# KiCad board teensy_arena_12-12.kicad_pcb
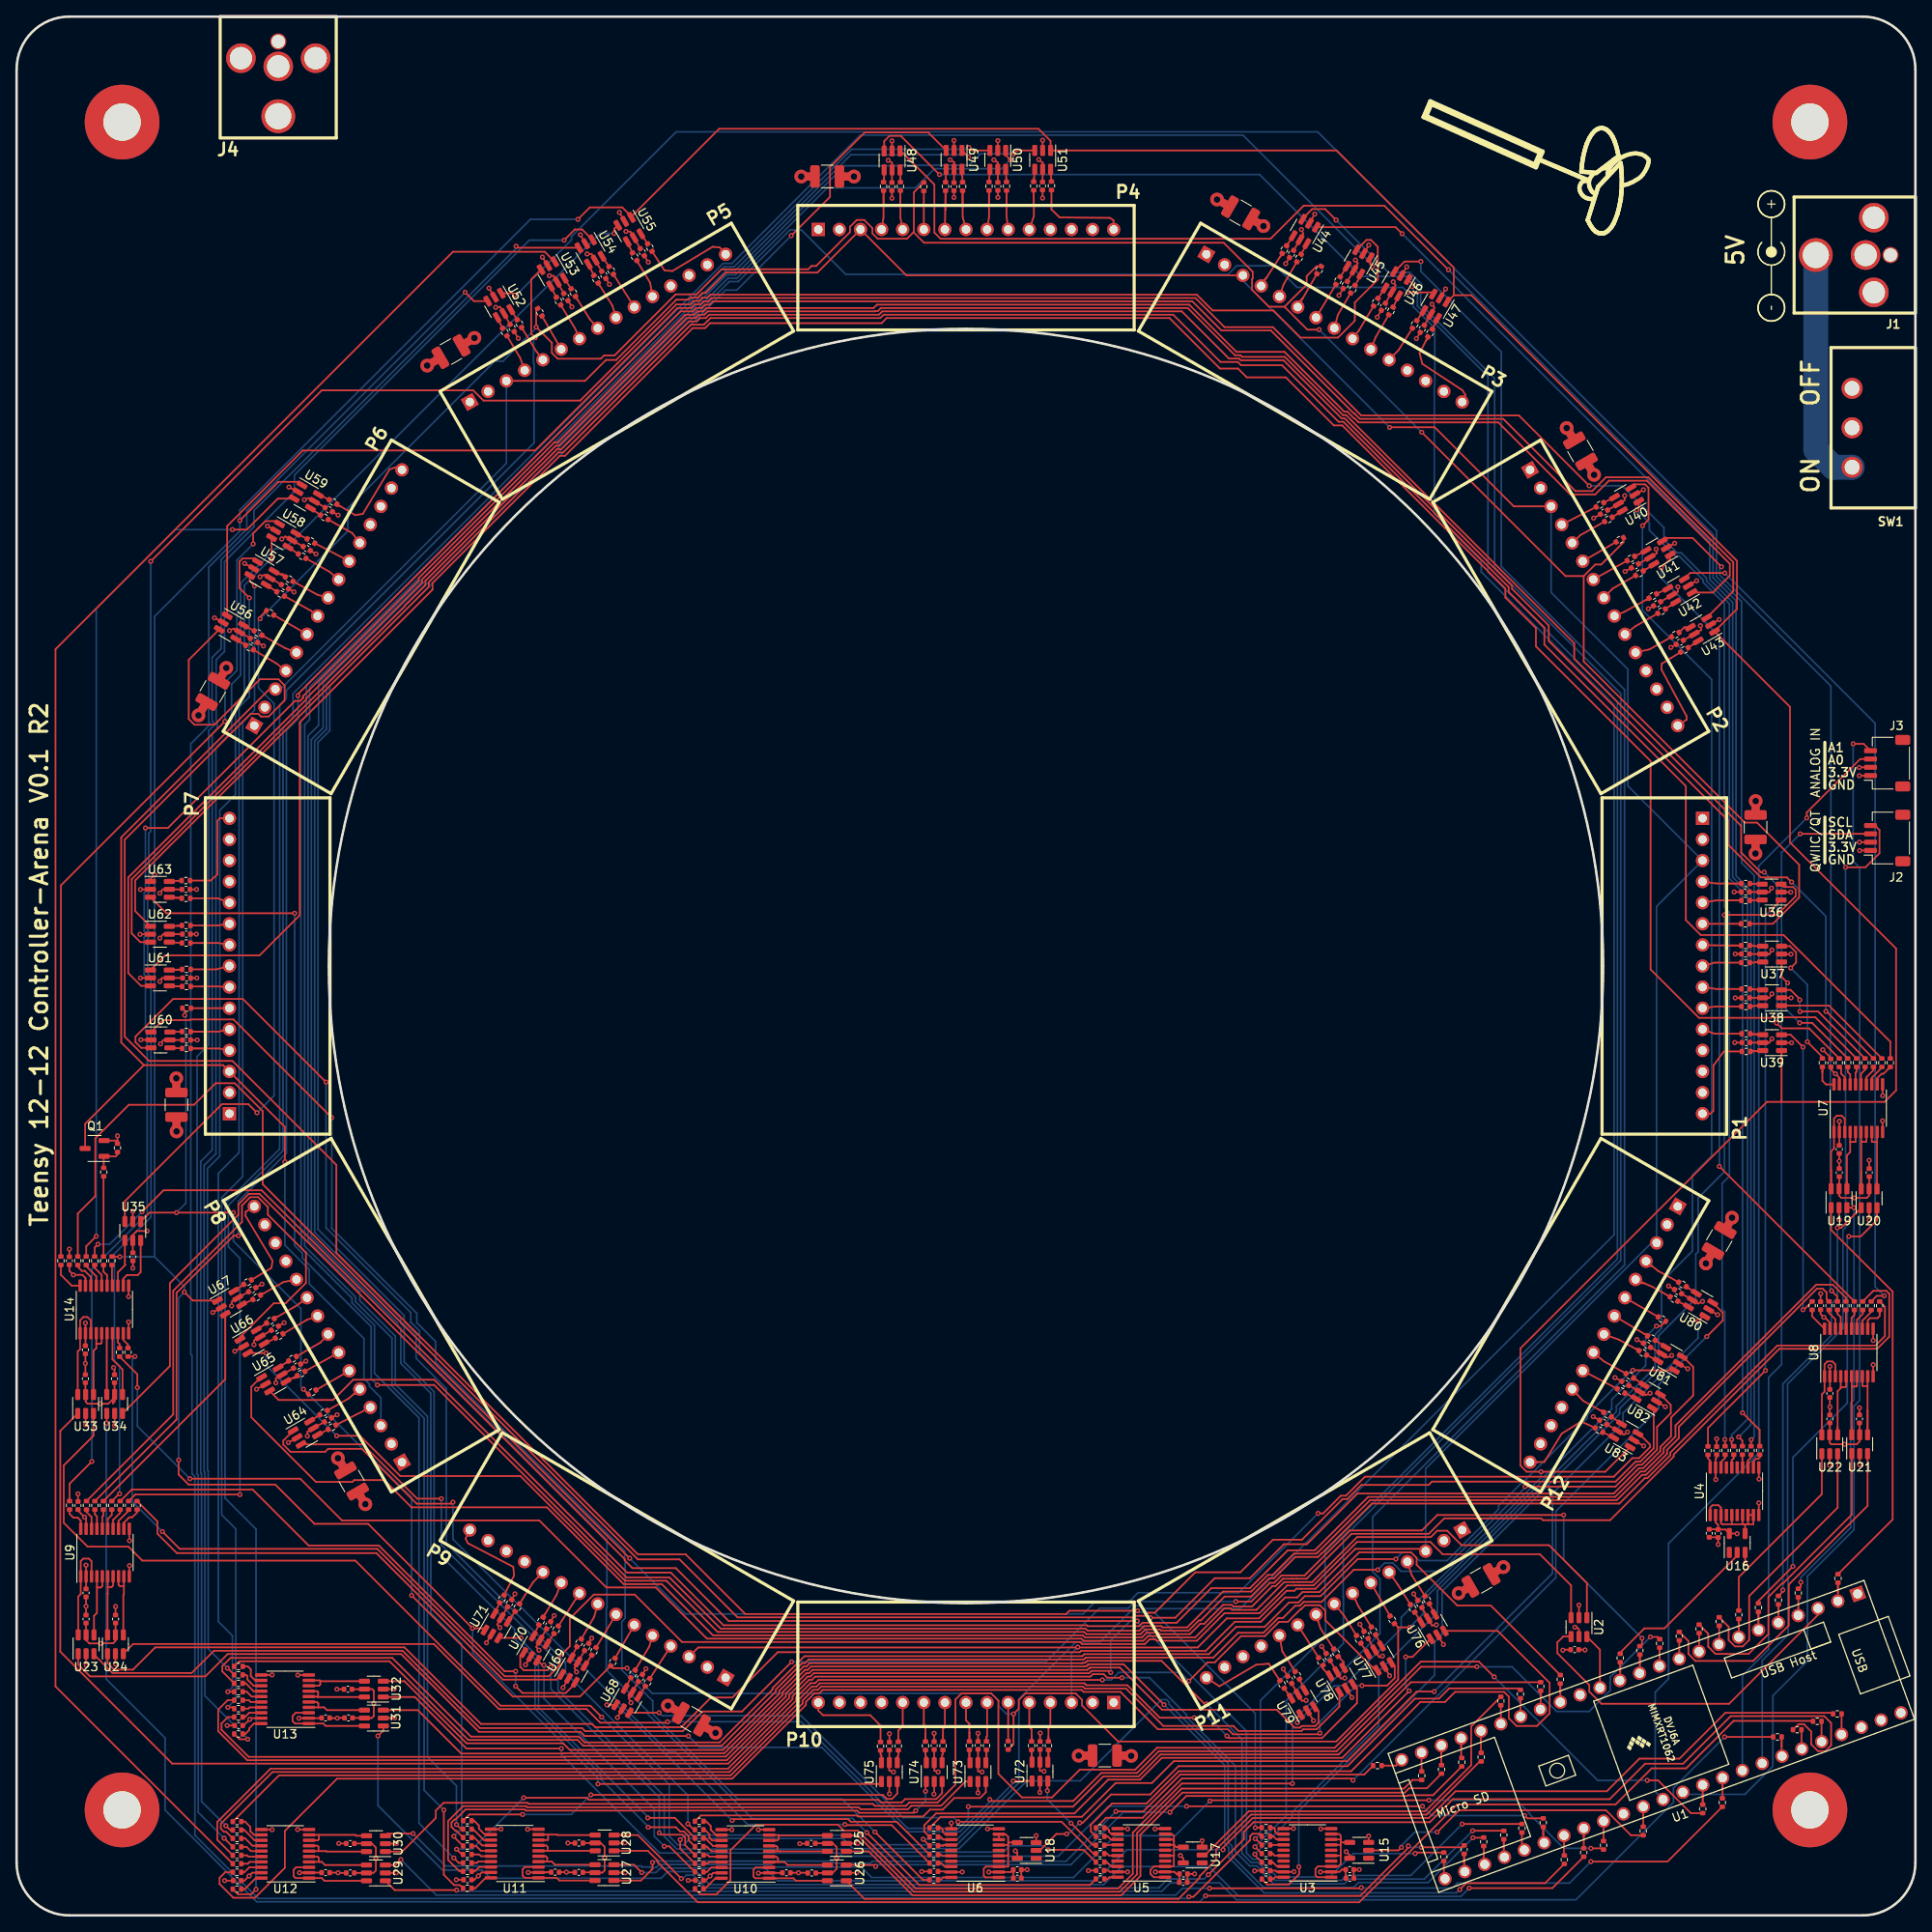
[diagram p0: board, top side]
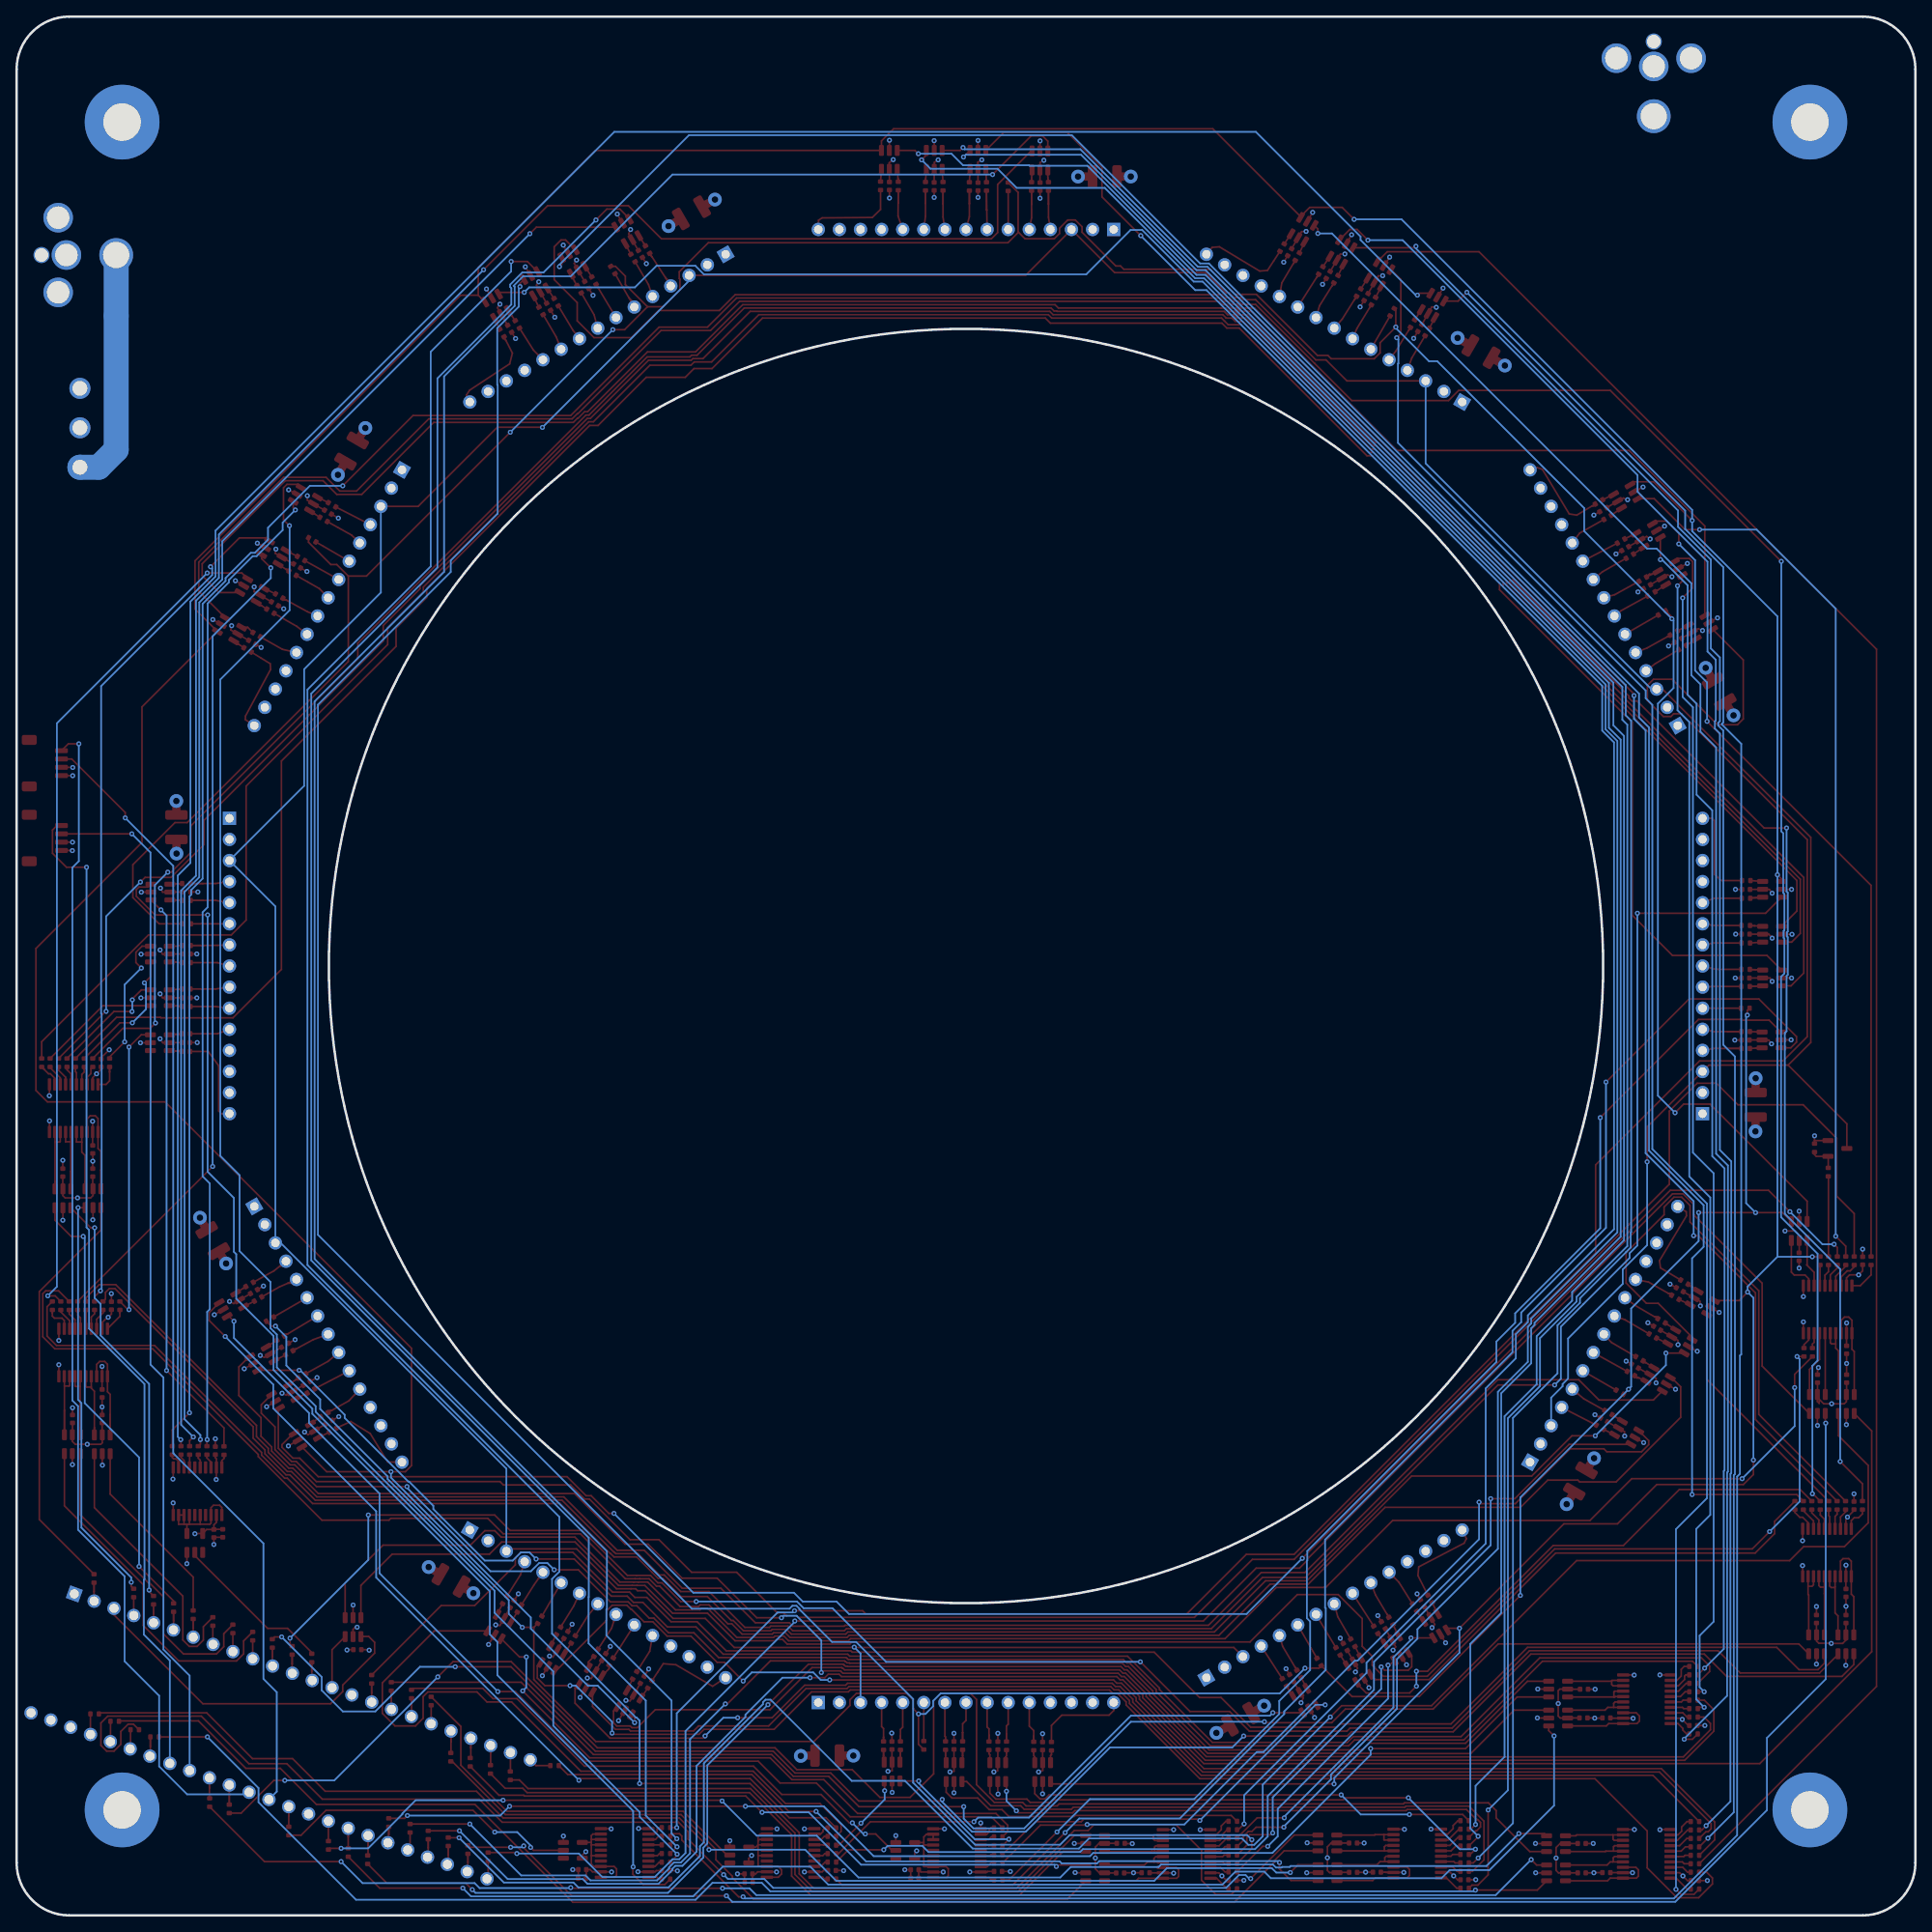
[diagram p1: board, bottom side, seen from below]

Outline 228.6 x 228.6 mm; copper layers: Top, In1.Cu (plane), In2.Cu (plane), In3.Cu (plane), In4.Cu (plane), Bottom. Coordinates in mm from the lower left corner of the outline.
Outline path: circle c114.3,114.3 r76.71 ; 0,222.25 0,6.35 arc(1.86,1.86) 6.35,0 222.25,0 arc(226.74,1.86) 228.6,6.35 228.6,222.25 arc(226.74,226.74) 222.25,228.6 6.35,228.6 arc(1.86,226.74) 0,222.25
Stack: Top 0.035mm / dielectric 0.1mm FR4 er 4.5 / In1.Cu 0.035mm / dielectric 0.535mm FR4 er 4.5 / In2.Cu 0.035mm / dielectric 0.1mm FR4 er 4.5 / In3.Cu 0.035mm / dielectric 0.535mm FR4 er 4.5 / In4.Cu 0.035mm / dielectric 0.1mm FR4 er 4.5 / Bottom 0.035mm

## Placement (name value [footprint] x y rotation side)
C1  0.1uF  [C_0402_1005Metric]  187.58 31.99 180 top
C2  0.1uF  [C_0402_1005Metric]  160.52 4.47 0 top
C3  0.1uF  [C_0402_1005Metric]  150.45 5.38 180 top
C4  0.1uF  [C_0402_1005Metric]  203.78 46 270 top
C5  0.1uF  [C_0402_1005Metric]  204.67 55.95 90 top
C6  0.1uF  [C_0402_1005Metric]  140.46 3.98 0 top
C7  0.1uF  [C_0402_1005Metric]  130.45 5.4 180 top
C8  0.1uF  [C_0402_1005Metric]  120.47 4.48 0 top
C9  0.1uF  [C_0402_1005Metric]  110.44 5.29 180 top
C10  0.1uF  [C_0402_1005Metric]  219.44 92.22 270 top
C11  0.1uF  [C_0402_1005Metric]  218.42 102.63 90 top
C12  0.1uF  [C_0402_1005Metric]  218.3 62.84 270 top
C13  0.1uF  [C_0402_1005Metric]  217.18 73.41 90 top
C14  0.1uF  [C_0402_1005Metric]  8.36 38.83 270 top
C15  0.1uF  [C_0402_1005Metric]  7.39 49.34 90 top
C16  0.1uF  [C_0402_1005Metric]  92.68 5.13 0 top
C17  0.1uF  [C_0402_1005Metric]  82.21 4.22 180 top
C18  0.1uF  [C_0402_1005Metric]  64.83 5.2 0 top
C19  0.1uF  [C_0402_1005Metric]  54.29 4.29 180 top
C20  0.1uF  [C_0402_1005Metric]  37.2 5.15 0 top
C21  0.1uF  [C_0402_1005Metric]  26.56 4.18 180 top
C22  0.1uF  [C_0402_1005Metric]  37.2 23.77 0 top
C23  0.1uF  [C_0402_1005Metric]  26.73 22.86 180 top
C24  0.1uF  [C_0402_1005Metric]  8.28 68.09 270 top
C25  0.1uF  [C_0402_1005Metric]  6.35 78.82 90 top
C26  0.1uF  [C_0402_1005Metric]  160.49 5.51 0 top
C27  0.1uF  [C_0402_1005Metric]  204.85 45.98 270 top
C28  0.1uF  [C_0402_1005Metric]  140.49 5 0 top
C29  0.1uF  [C_0402_1005Metric]  120.47 5.5 0 top
C30  0.1uF  [C_0402_1005Metric]  219.44 89.43 90 top
C31  0.1uF  [C_0402_1005Metric]  223.04 89.43 90 top
C32  0.1uF  [C_0402_1005Metric]  218.3 59.77 90 top
C33  0.1uF  [C_0402_1005Metric]  221.87 59.77 90 top
C34  0.1uF  [C_0402_1005Metric]  8.36 35.68 90 top
C35  0.1uF  [C_0402_1005Metric]  11.91 35.68 90 top
C36  0.1uF  [C_0402_1005Metric]  95.66 8.68 180 top
C37  0.1uF  [C_0402_1005Metric]  95.74 5.11 180 top
C38  0.1uF  [C_0402_1005Metric]  67.69 5.18 180 top
C39  0.1uF  [C_0402_1005Metric]  67.7 8.71 180 top
C40  0.1uF  [C_0402_1005Metric]  40.17 5.11 180 top
C41  0.1uF  [C_0402_1005Metric]  40.17 8.65 180 top
C42  0.1uF  [C_0402_1005Metric]  39.96 23.77 180 top
C43  0.1uF  [C_0402_1005Metric]  39.89 27.23 180 top
C44  0.1uF  [C_0402_1005Metric]  8.28 64.62 90 top
C45  0.1uF  [C_0402_1005Metric]  11.79 64.62 90 top
C46  0.1uF  [C_0402_1005Metric]  14 79.29 270 top
C47  0.1uF  [C_0402_1005Metric]  208.14 123.22 180 top
C48  0.1uF  [C_0402_1005Metric]  208.13 115.75 180 top
C49  0.1uF  [C_0402_1005Metric]  208.16 110.46 180 top
C50  0.1uF  [C_0402_1005Metric]  208.21 105.08 180 top
C51  0.1uF  [C_0402_1005Metric]  191.11 168.94 210 top
C52  0.1uF  [C_0402_1005Metric]  194.84 162.47 210 top
C53  0.1uF  [C_0402_1005Metric]  197.5 157.91 210 top
C54  0.1uF  [C_0402_1005Metric]  200.24 153.27 210 top
C55  0.1uF  [C_0402_1005Metric]  153.5 200.03 240 top
C56  0.1uF  [C_0402_1005Metric]  159.96 196.29 240 top
C57  0.1uF  [C_0402_1005Metric]  164.55 193.67 240 top
C58  0.1uF  [C_0402_1005Metric]  169.24 191.02 240 top
C59  0.1uF  [C_0402_1005Metric]  105.38 208.14 270 top
C60  0.1uF  [C_0402_1005Metric]  112.85 208.13 270 top
C61  0.1uF  [C_0402_1005Metric]  118.14 208.16 270 top
C62  0.1uF  [C_0402_1005Metric]  123.52 208.21 270 top
C63  0.1uF  [C_0402_1005Metric]  59.66 191.11 300 top
C64  0.1uF  [C_0402_1005Metric]  66.13 194.84 300 top
C65  0.1uF  [C_0402_1005Metric]  70.69 197.5 300 top
C66  0.1uF  [C_0402_1005Metric]  75.33 200.24 300 top
C67  0.1uF  [C_0402_1005Metric]  28.57 153.5 330 top
C68  0.1uF  [C_0402_1005Metric]  32.31 159.96 330 top
C69  0.1uF  [C_0402_1005Metric]  34.93 164.55 330 top
C70  0.1uF  [C_0402_1005Metric]  37.58 169.24 330 top
C71  0.1uF  [C_0402_1005Metric]  20.46 105.38 0 top
C72  0.1uF  [C_0402_1005Metric]  20.47 112.85 0 top
C73  0.1uF  [C_0402_1005Metric]  20.44 118.14 0 top
C74  0.1uF  [C_0402_1005Metric]  20.39 123.52 0 top
C75  0.1uF  [C_0402_1005Metric]  37.49 59.66 30 top
C76  0.1uF  [C_0402_1005Metric]  33.76 66.13 30 top
C77  0.1uF  [C_0402_1005Metric]  31.1 70.69 30 top
C78  0.1uF  [C_0402_1005Metric]  28.36 75.33 30 top
C79  0.1uF  [C_0402_1005Metric]  75.1 28.57 60 top
C80  0.1uF  [C_0402_1005Metric]  68.64 32.31 60 top
C81  0.1uF  [C_0402_1005Metric]  64.05 34.93 60 top
C82  0.1uF  [C_0402_1005Metric]  59.36 37.58 60 top
C83  0.1uF  [C_0402_1005Metric]  123.22 20.46 90 top
C84  0.1uF  [C_0402_1005Metric]  115.75 20.47 90 top
C85  0.1uF  [C_0402_1005Metric]  110.46 20.44 90 top
C86  0.1uF  [C_0402_1005Metric]  105.08 20.39 90 top
C87  0.1uF  [C_0402_1005Metric]  168.94 37.49 120 top
C88  0.1uF  [C_0402_1005Metric]  162.47 33.76 120 top
C89  0.1uF  [C_0402_1005Metric]  157.91 31.1 120 top
C90  0.1uF  [C_0402_1005Metric]  153.27 28.36 120 top
C91  0.1uF  [C_0402_1005Metric]  200.03 75.1 150 top
C92  0.1uF  [C_0402_1005Metric]  196.29 68.64 150 top
C93  0.1uF  [C_0402_1005Metric]  193.67 64.05 150 top
C94  0.1uF  [C_0402_1005Metric]  191.02 59.36 150 top
C95  100uF  [C_1210_3225Metric]  209.36 131.01 270 top
C96  100uF  [C_1210_3225Metric]  188.27 176.3 300 top
C97  100uF  [C_1210_3225Metric]  147.36 204.98 330 top
C98  100uF  [C_1210_3225Metric]  97.59 209.36 0 top
C99  100uF  [C_1210_3225Metric]  52.3 188.27 30 top
C100  100uF  [C_1210_3225Metric]  23.62 147.36 60 top
C101  100uF  [C_1210_3225Metric]  19.24 97.59 90 top
C102  100uF  [C_1210_3225Metric]  40.33 52.3 120 top
C103  100uF  [C_1210_3225Metric]  81.24 23.62 150 top
C104  100uF  [C_1210_3225Metric]  131.01 19.24 180 top
C105  100uF  [C_1210_3225Metric]  176.3 40.33 210 top
C106  100uF  [C_1210_3225Metric]  204.98 81.24 240 top
H1  MountingHole_Pad  [MountingHole_4.5mm_Pad]  12.7 215.9 0 top
H2  MountingHole_Pad  [MountingHole_4.5mm_Pad]  215.9 215.9 0 top
H3  MountingHole_Pad  [MountingHole_4.5mm_Pad]  215.9 12.7 0 top
H4  MountingHole_Pad  [MountingHole_4.5mm_Pad]  12.7 12.7 0 top
J1  Barrel_Jack  [DCJACK_2PIN_HIGHCURRENT]  228.6 199.9 270 top
J2  Conn_01x04  [JST_SH_SM04B-SRSS-TB_1x04-1MP_P1.00mm_Horizontal]  225.2 129.71 90 top
J3  Conn_01x04  [JST_SH_SM04B-SRSS-TB_1x04-1MP_P1.00mm_Horizontal]  225.2 138.72 90 top
J4  Barrel_Jack  [DCJACK_2PIN_HIGHCURRENT]  31.5 228.6 0 top
P1  CONN15  [HEADER_TOP]  202.97 114.3 270 top
P2  CONN15  [HEADER_TOP]  191.09 158.64 300 top
P3  CONN15  [HEADER_TOP]  158.64 191.09 330 top
P4  CONN15  [HEADER_TOP]  114.3 202.97 0 top
P5  CONN15  [HEADER_TOP]  69.96 191.09 30 top
P6  CONN15  [HEADER_TOP]  37.51 158.64 60 top
P7  CONN15  [HEADER_TOP]  25.63 114.3 90 top
P8  CONN15  [HEADER_TOP]  37.51 69.96 120 top
P9  CONN15  [HEADER_TOP]  69.96 37.51 150 top
P10  CONN15  [HEADER_TOP]  114.3 25.63 180 top
P11  CONN15  [HEADER_TOP]  158.64 37.51 210 top
P12  CONN15  [HEADER_TOP]  191.09 69.96 240 top
Q1  MOSFET_NCHAN  [SOT-23-3]  9.39 92.33 180 top
R1  200  [R_0402_1005Metric]  10.49 89.49 270 top
R2  20k  [R_0402_1005Metric]  12.14 92.41 270 top
R3  33  [R_0402_1005Metric]  174.27 7.92 90 top
R4  33  [R_0402_1005Metric]  195.83 10.16 270 top
R5  33  [R_0402_1005Metric]  193.07 30.99 90 top
R6  33  [R_0402_1005Metric]  178.69 25.81 90 top
R7  33  [R_0402_1005Metric]  181.05 26.65 90 top
R8  33  [R_0402_1005Metric]  219.28 40.57 90 top
R9  33  [R_0402_1005Metric]  214.5 38.81 90 top
R10  33  [R_0402_1005Metric]  212.12 37.95 90 top
R11  33  [R_0402_1005Metric]  209.7 37.06 90 top
R12  33  [R_0402_1005Metric]  207.34 36.2 90 top
R13  33  [R_0402_1005Metric]  204.98 35.38 90 top
R14  33  [R_0402_1005Metric]  202.56 34.5 90 top
R15  33  [R_0402_1005Metric]  200.18 33.62 90 top
R16  33  [R_0402_1005Metric]  197.82 32.74 90 top
R17  33  [R_0402_1005Metric]  195.43 31.9 90 top
R18  33  [R_0402_1005Metric]  185.85 28.42 90 top
R19  33  [R_0402_1005Metric]  183.49 27.56 90 top
R20  33  [R_0402_1005Metric]  176.33 19.05 270 top
R21  33  [R_0402_1005Metric]  173.99 18.44 270 top
R22  33  [R_0402_1005Metric]  171.55 17.58 270 top
R23  33  [R_0402_1005Metric]  169.16 16.82 270 top
R24  33  [R_0402_1005Metric]  163.83 18.03 180 top
R25  33  [R_0402_1005Metric]  219.2 24.26 180 top
R26  33  [R_0402_1005Metric]  216.79 23.37 180 top
R27  33  [R_0402_1005Metric]  214.37 22.35 180 top
R28  33  [R_0402_1005Metric]  211.99 21.49 180 top
R29  33  [R_0402_1005Metric]  205.36 13.59 270 top
R30  33  [R_0402_1005Metric]  203 12.83 270 top
R31  33  [R_0402_1005Metric]  191.06 8.43 270 top
R32  33  [R_0402_1005Metric]  188.67 7.57 270 top
R33  33  [R_0402_1005Metric]  186.33 6.71 270 top
R34  33  [R_0402_1005Metric]  183.79 11.17 90 top
R35  33  [R_0402_1005Metric]  181.23 10.49 90 top
R36  33  [R_0402_1005Metric]  179.04 9.68 90 top
R37  33  [R_0402_1005Metric]  176.63 8.86 90 top
R38  33  [R_0402_1005Metric]  171.83 7.06 90 top
R39  33  [R_0402_1005Metric]  150.42 4.37 0 top
R40  33  [R_0402_1005Metric]  150.42 6.4 0 top
R41  33  [R_0402_1005Metric]  150.42 7.44 0 top
R42  33  [R_0402_1005Metric]  150.42 8.48 0 top
R43  33  [R_0402_1005Metric]  150.42 9.53 0 top
R44  33  [R_0402_1005Metric]  150.41 10.57 0 top
R45  33  [R_0402_1005Metric]  203.63 55.96 270 top
R46  33  [R_0402_1005Metric]  205.69 55.98 270 top
R47  33  [R_0402_1005Metric]  206.73 55.98 270 top
R48  33  [R_0402_1005Metric]  207.77 55.98 270 top
R49  33  [R_0402_1005Metric]  208.81 55.98 270 top
R50  33  [R_0402_1005Metric]  209.85 55.98 270 top
R51  33  [R_0402_1005Metric]  130.45 4.39 0 top
R52  33  [R_0402_1005Metric]  130.45 6.42 0 top
R53  33  [R_0402_1005Metric]  130.45 7.43 0 top
R54  33  [R_0402_1005Metric]  130.45 8.45 0 top
R55  33  [R_0402_1005Metric]  130.45 9.52 0 top
R56  33  [R_0402_1005Metric]  130.45 10.53 0 top
R57  33  [R_0402_1005Metric]  110.42 4.28 0 top
R58  33  [R_0402_1005Metric]  110.41 6.31 0 top
R59  33  [R_0402_1005Metric]  110.42 7.32 0 top
R60  33  [R_0402_1005Metric]  110.42 8.39 0 top
R61  33  [R_0402_1005Metric]  110.42 9.46 0 top
R62  33  [R_0402_1005Metric]  110.42 10.53 0 top
R63  33  [R_0402_1005Metric]  219.44 102.66 270 top
R64  33  [R_0402_1005Metric]  220.45 102.66 270 top
R65  33  [R_0402_1005Metric]  221.52 102.66 270 top
R66  33  [R_0402_1005Metric]  222.53 102.66 270 top
R67  33  [R_0402_1005Metric]  223.55 102.66 270 top
R68  33  [R_0402_1005Metric]  224.57 102.66 270 top
R69  33  [R_0402_1005Metric]  217.4 102.66 270 top
R70  33  [R_0402_1005Metric]  225.58 102.66 270 top
R71  33  [R_0402_1005Metric]  216.17 73.41 270 top
R72  33  [R_0402_1005Metric]  218.2 73.41 270 top
R73  33  [R_0402_1005Metric]  219.22 73.41 270 top
R74  33  [R_0402_1005Metric]  220.23 73.41 270 top
R75  33  [R_0402_1005Metric]  221.25 73.41 270 top
R76  33  [R_0402_1005Metric]  222.26 73.4 270 top
R77  33  [R_0402_1005Metric]  223.28 73.4 270 top
R78  33  [R_0402_1005Metric]  224.3 73.4 270 top
R79  33  [R_0402_1005Metric]  6.38 49.37 270 top
R80  33  [R_0402_1005Metric]  8.41 49.36 270 top
R81  33  [R_0402_1005Metric]  9.42 49.36 270 top
R82  33  [R_0402_1005Metric]  10.44 49.36 270 top
R83  33  [R_0402_1005Metric]  11.46 49.36 270 top
R84  33  [R_0402_1005Metric]  12.47 49.36 270 top
R85  33  [R_0402_1005Metric]  13.49 49.36 270 top
R86  33  [R_0402_1005Metric]  14.5 49.37 270 top
R87  33  [R_0402_1005Metric]  82.18 3.2 0 top
R88  33  [R_0402_1005Metric]  82.18 5.23 0 top
R89  33  [R_0402_1005Metric]  82.18 6.25 0 top
R90  33  [R_0402_1005Metric]  82.18 7.26 0 top
R91  33  [R_0402_1005Metric]  82.18 8.28 0 top
R92  33  [R_0402_1005Metric]  82.18 9.3 0 top
R93  33  [R_0402_1005Metric]  82.18 10.31 0 top
R94  33  [R_0402_1005Metric]  82.18 11.33 0 top
R95  33  [R_0402_1005Metric]  54.26 3.27 0 top
R96  33  [R_0402_1005Metric]  54.27 5.3 0 top
R97  33  [R_0402_1005Metric]  54.27 6.32 0 top
R98  33  [R_0402_1005Metric]  54.27 7.34 0 top
R99  33  [R_0402_1005Metric]  54.27 8.35 0 top
R100  33  [R_0402_1005Metric]  54.27 9.37 0 top
R101  33  [R_0402_1005Metric]  54.27 10.38 0 top
R102  33  [R_0402_1005Metric]  54.27 11.4 0 top
R103  33  [R_0402_1005Metric]  26.54 3.17 0 top
R104  33  [R_0402_1005Metric]  26.54 5.2 0 top
R105  33  [R_0402_1005Metric]  26.54 6.22 0 top
R106  33  [R_0402_1005Metric]  26.54 7.23 0 top
R107  33  [R_0402_1005Metric]  26.54 8.25 0 top
R108  33  [R_0402_1005Metric]  26.54 9.26 0 top
R109  33  [R_0402_1005Metric]  26.54 10.28 0 top
R110  33  [R_0402_1005Metric]  26.54 11.3 0 top
R111  33  [R_0402_1005Metric]  26.71 21.84 0 top
R112  33  [R_0402_1005Metric]  26.71 23.88 0 top
R113  33  [R_0402_1005Metric]  26.71 24.89 0 top
R114  33  [R_0402_1005Metric]  26.71 25.91 0 top
R115  33  [R_0402_1005Metric]  26.71 26.92 0 top
R116  33  [R_0402_1005Metric]  26.71 27.94 0 top
R117  33  [R_0402_1005Metric]  26.71 28.96 0 top
R118  33  [R_0402_1005Metric]  26.71 29.97 0 top
R119  33  [R_0402_1005Metric]  5.33 78.82 270 top
R120  33  [R_0402_1005Metric]  7.37 78.82 270 top
R121  33  [R_0402_1005Metric]  8.38 78.82 270 top
R122  33  [R_0402_1005Metric]  9.4 78.81 270 top
R123  33  [R_0402_1005Metric]  10.46 78.81 270 top
R124  33  [R_0402_1005Metric]  11.48 78.81 270 top
R125  33  [R_0402_1005Metric]  12.4 67.79 90 top
R126  33  [R_0402_1005Metric]  13.41 67.79 90 top
R127  33  [R_0402_1005Metric]  208.16 124.23 0 top
R128  33  [R_0402_1005Metric]  208.16 122.19 0 top
R129  33  [R_0402_1005Metric]  208.15 116.76 0 top
R130  33  [R_0402_1005Metric]  208.15 114.71 0 top
R131  33  [R_0402_1005Metric]  208.18 111.53 0 top
R132  33  [R_0402_1005Metric]  208.18 109.42 0 top
R133  33  [R_0402_1005Metric]  208.21 106.15 0 top
R134  33  [R_0402_1005Metric]  208.23 104.01 0 top
R135  33  [R_0402_1005Metric]  190.62 169.83 30 top
R136  33  [R_0402_1005Metric]  191.64 168.07 30 top
R137  33  [R_0402_1005Metric]  194.35 163.36 30 top
R138  33  [R_0402_1005Metric]  195.38 161.58 30 top
R139  33  [R_0402_1005Metric]  196.99 158.84 30 top
R140  33  [R_0402_1005Metric]  198.04 157.02 30 top
R141  33  [R_0402_1005Metric]  199.7 154.19 30 top
R142  33  [R_0402_1005Metric]  200.79 152.36 30 top
R143  33  [R_0402_1005Metric]  152.63 200.55 60 top
R144  33  [R_0402_1005Metric]  154.39 199.53 60 top
R145  33  [R_0402_1005Metric]  159.09 196.81 60 top
R146  33  [R_0402_1005Metric]  160.88 195.78 60 top
R147  33  [R_0402_1005Metric]  163.64 194.22 60 top
R148  33  [R_0402_1005Metric]  165.46 193.16 60 top
R149  33  [R_0402_1005Metric]  168.31 191.55 60 top
R150  33  [R_0402_1005Metric]  170.17 190.5 60 top
R151  33  [R_0402_1005Metric]  104.37 208.16 90 top
R152  33  [R_0402_1005Metric]  106.41 208.16 90 top
R153  33  [R_0402_1005Metric]  111.84 208.16 90 top
R154  33  [R_0402_1005Metric]  113.89 208.16 90 top
R155  33  [R_0402_1005Metric]  117.07 208.18 90 top
R156  33  [R_0402_1005Metric]  119.18 208.18 90 top
R157  33  [R_0402_1005Metric]  122.45 208.21 90 top
R158  33  [R_0402_1005Metric]  124.59 208.23 90 top
R159  33  [R_0402_1005Metric]  58.77 190.62 120 top
R160  33  [R_0402_1005Metric]  60.53 191.64 120 top
R161  33  [R_0402_1005Metric]  65.24 194.35 120 top
R162  33  [R_0402_1005Metric]  67.02 195.38 120 top
R163  33  [R_0402_1005Metric]  69.76 196.99 120 top
R164  33  [R_0402_1005Metric]  71.58 198.04 120 top
R165  33  [R_0402_1005Metric]  74.41 199.7 120 top
R166  33  [R_0402_1005Metric]  76.24 200.79 120 top
R167  33  [R_0402_1005Metric]  28.05 152.63 150 top
R168  33  [R_0402_1005Metric]  29.07 154.39 150 top
R169  33  [R_0402_1005Metric]  31.79 159.09 150 top
R170  33  [R_0402_1005Metric]  32.82 160.88 150 top
R171  33  [R_0402_1005Metric]  34.38 163.64 150 top
R172  33  [R_0402_1005Metric]  35.44 165.46 150 top
R173  33  [R_0402_1005Metric]  37.05 168.31 150 top
R174  33  [R_0402_1005Metric]  38.1 170.17 150 top
R175  33  [R_0402_1005Metric]  20.44 104.37 180 top
R176  33  [R_0402_1005Metric]  20.44 106.41 180 top
R177  33  [R_0402_1005Metric]  20.44 111.84 180 top
R178  33  [R_0402_1005Metric]  20.44 113.89 180 top
R179  33  [R_0402_1005Metric]  20.42 117.07 180 top
R180  33  [R_0402_1005Metric]  20.42 119.18 180 top
R181  33  [R_0402_1005Metric]  20.39 122.45 180 top
R182  33  [R_0402_1005Metric]  20.37 124.59 180 top
R183  33  [R_0402_1005Metric]  37.98 58.77 210 top
R184  33  [R_0402_1005Metric]  36.96 60.53 210 top
R185  33  [R_0402_1005Metric]  34.25 65.24 210 top
R186  33  [R_0402_1005Metric]  33.22 67.02 210 top
R187  33  [R_0402_1005Metric]  31.61 69.76 210 top
R188  33  [R_0402_1005Metric]  30.56 71.58 210 top
R189  33  [R_0402_1005Metric]  28.9 74.41 210 top
R190  33  [R_0402_1005Metric]  27.81 76.24 210 top
R191  33  [R_0402_1005Metric]  75.97 28.05 240 top
R192  33  [R_0402_1005Metric]  74.21 29.07 240 top
R193  33  [R_0402_1005Metric]  69.51 31.79 240 top
R194  33  [R_0402_1005Metric]  67.72 32.82 240 top
R195  33  [R_0402_1005Metric]  64.96 34.38 240 top
R196  33  [R_0402_1005Metric]  63.14 35.44 240 top
R197  33  [R_0402_1005Metric]  60.29 37.05 240 top
R198  33  [R_0402_1005Metric]  58.43 38.1 240 top
R199  33  [R_0402_1005Metric]  124.23 20.44 270 top
R200  33  [R_0402_1005Metric]  122.19 20.44 270 top
R201  33  [R_0402_1005Metric]  116.76 20.45 270 top
R202  33  [R_0402_1005Metric]  114.71 20.45 270 top
R203  33  [R_0402_1005Metric]  111.53 20.42 270 top
R204  33  [R_0402_1005Metric]  109.42 20.42 270 top
R205  33  [R_0402_1005Metric]  106.15 20.39 270 top
R206  33  [R_0402_1005Metric]  104.01 20.37 270 top
R207  33  [R_0402_1005Metric]  169.83 37.98 300 top
R208  33  [R_0402_1005Metric]  168.07 36.96 300 top
R209  33  [R_0402_1005Metric]  163.36 34.25 300 top
R210  33  [R_0402_1005Metric]  161.58 33.22 300 top
R211  33  [R_0402_1005Metric]  158.84 31.61 300 top
R212  33  [R_0402_1005Metric]  157.02 30.56 300 top
R213  33  [R_0402_1005Metric]  154.19 28.9 300 top
R214  33  [R_0402_1005Metric]  152.36 27.81 300 top
R215  33  [R_0402_1005Metric]  200.55 75.97 330 top
R216  33  [R_0402_1005Metric]  199.53 74.21 330 top